# Altium PCB PCB.PcbDoc (part 1 of 5)
Units mm, origin at the board's own origin, x right, y up, seen from the top; angles counter-clockwise.
Board outline 112 x 68.3 mm, 8 copper layers (Top Layer (Sig 1), Ground Plane 1, Signal Layer 2, Power Plane 1, Power Plane 2, Signal Layer 3, Ground Plane 2, Bottom Layer (Sig 4)), stack 1.68 mm thick; 392 components, 293 nets, 1571 pads, 926 vias.
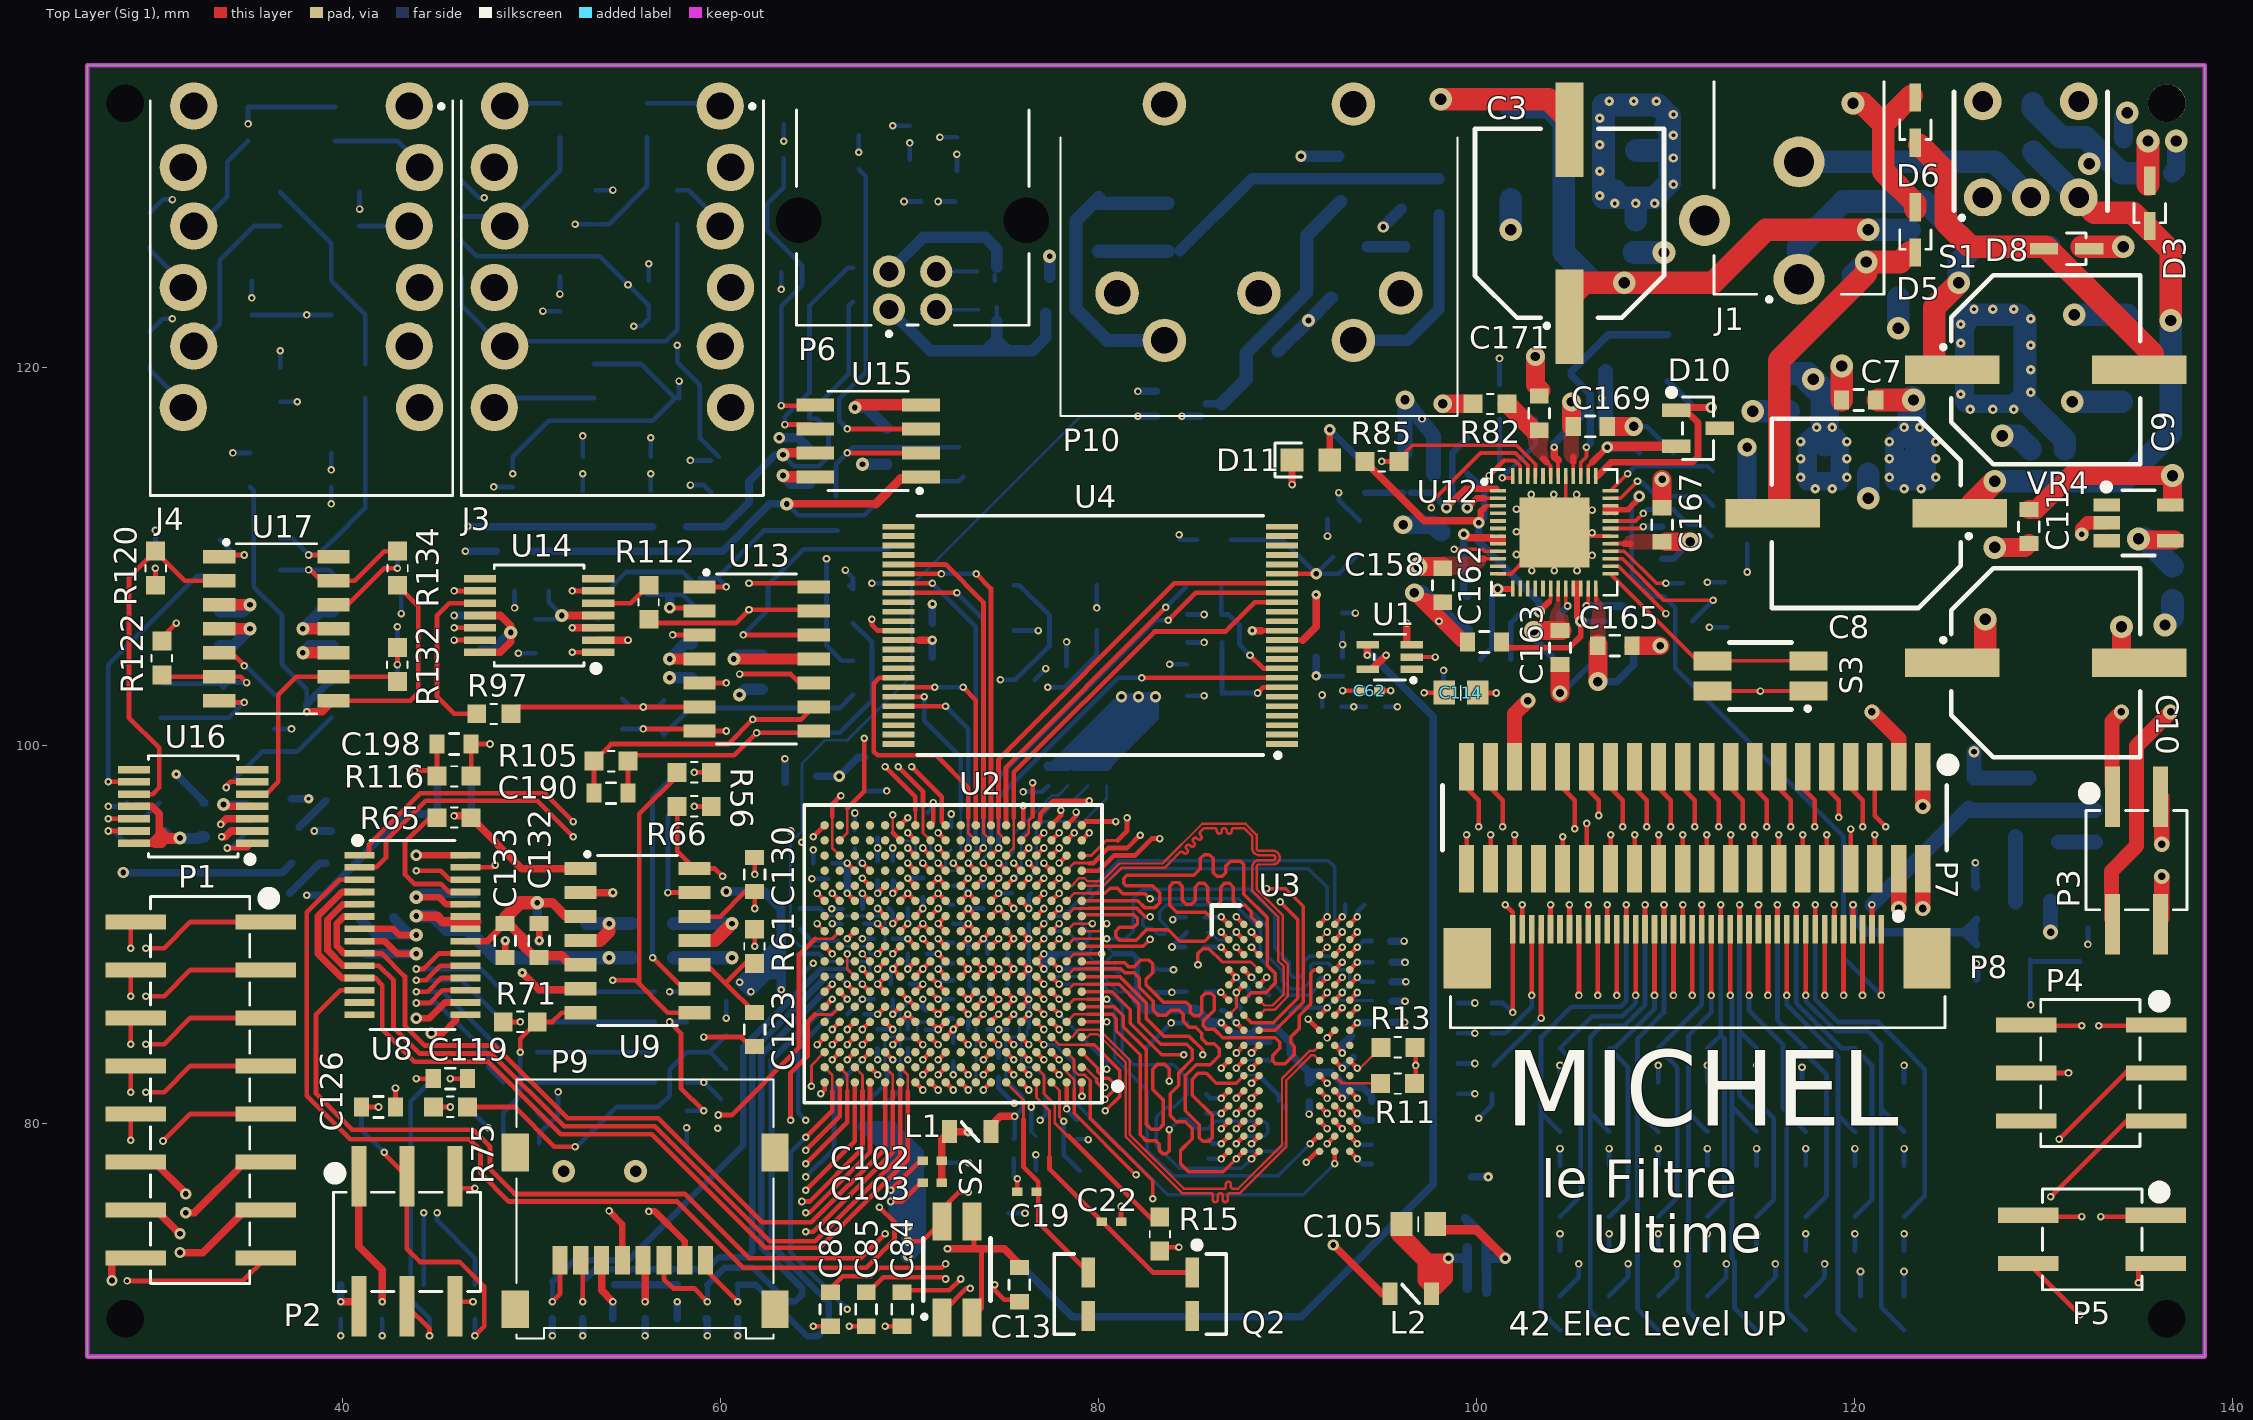
[diagram p0: Top Layer (Sig 1) view]
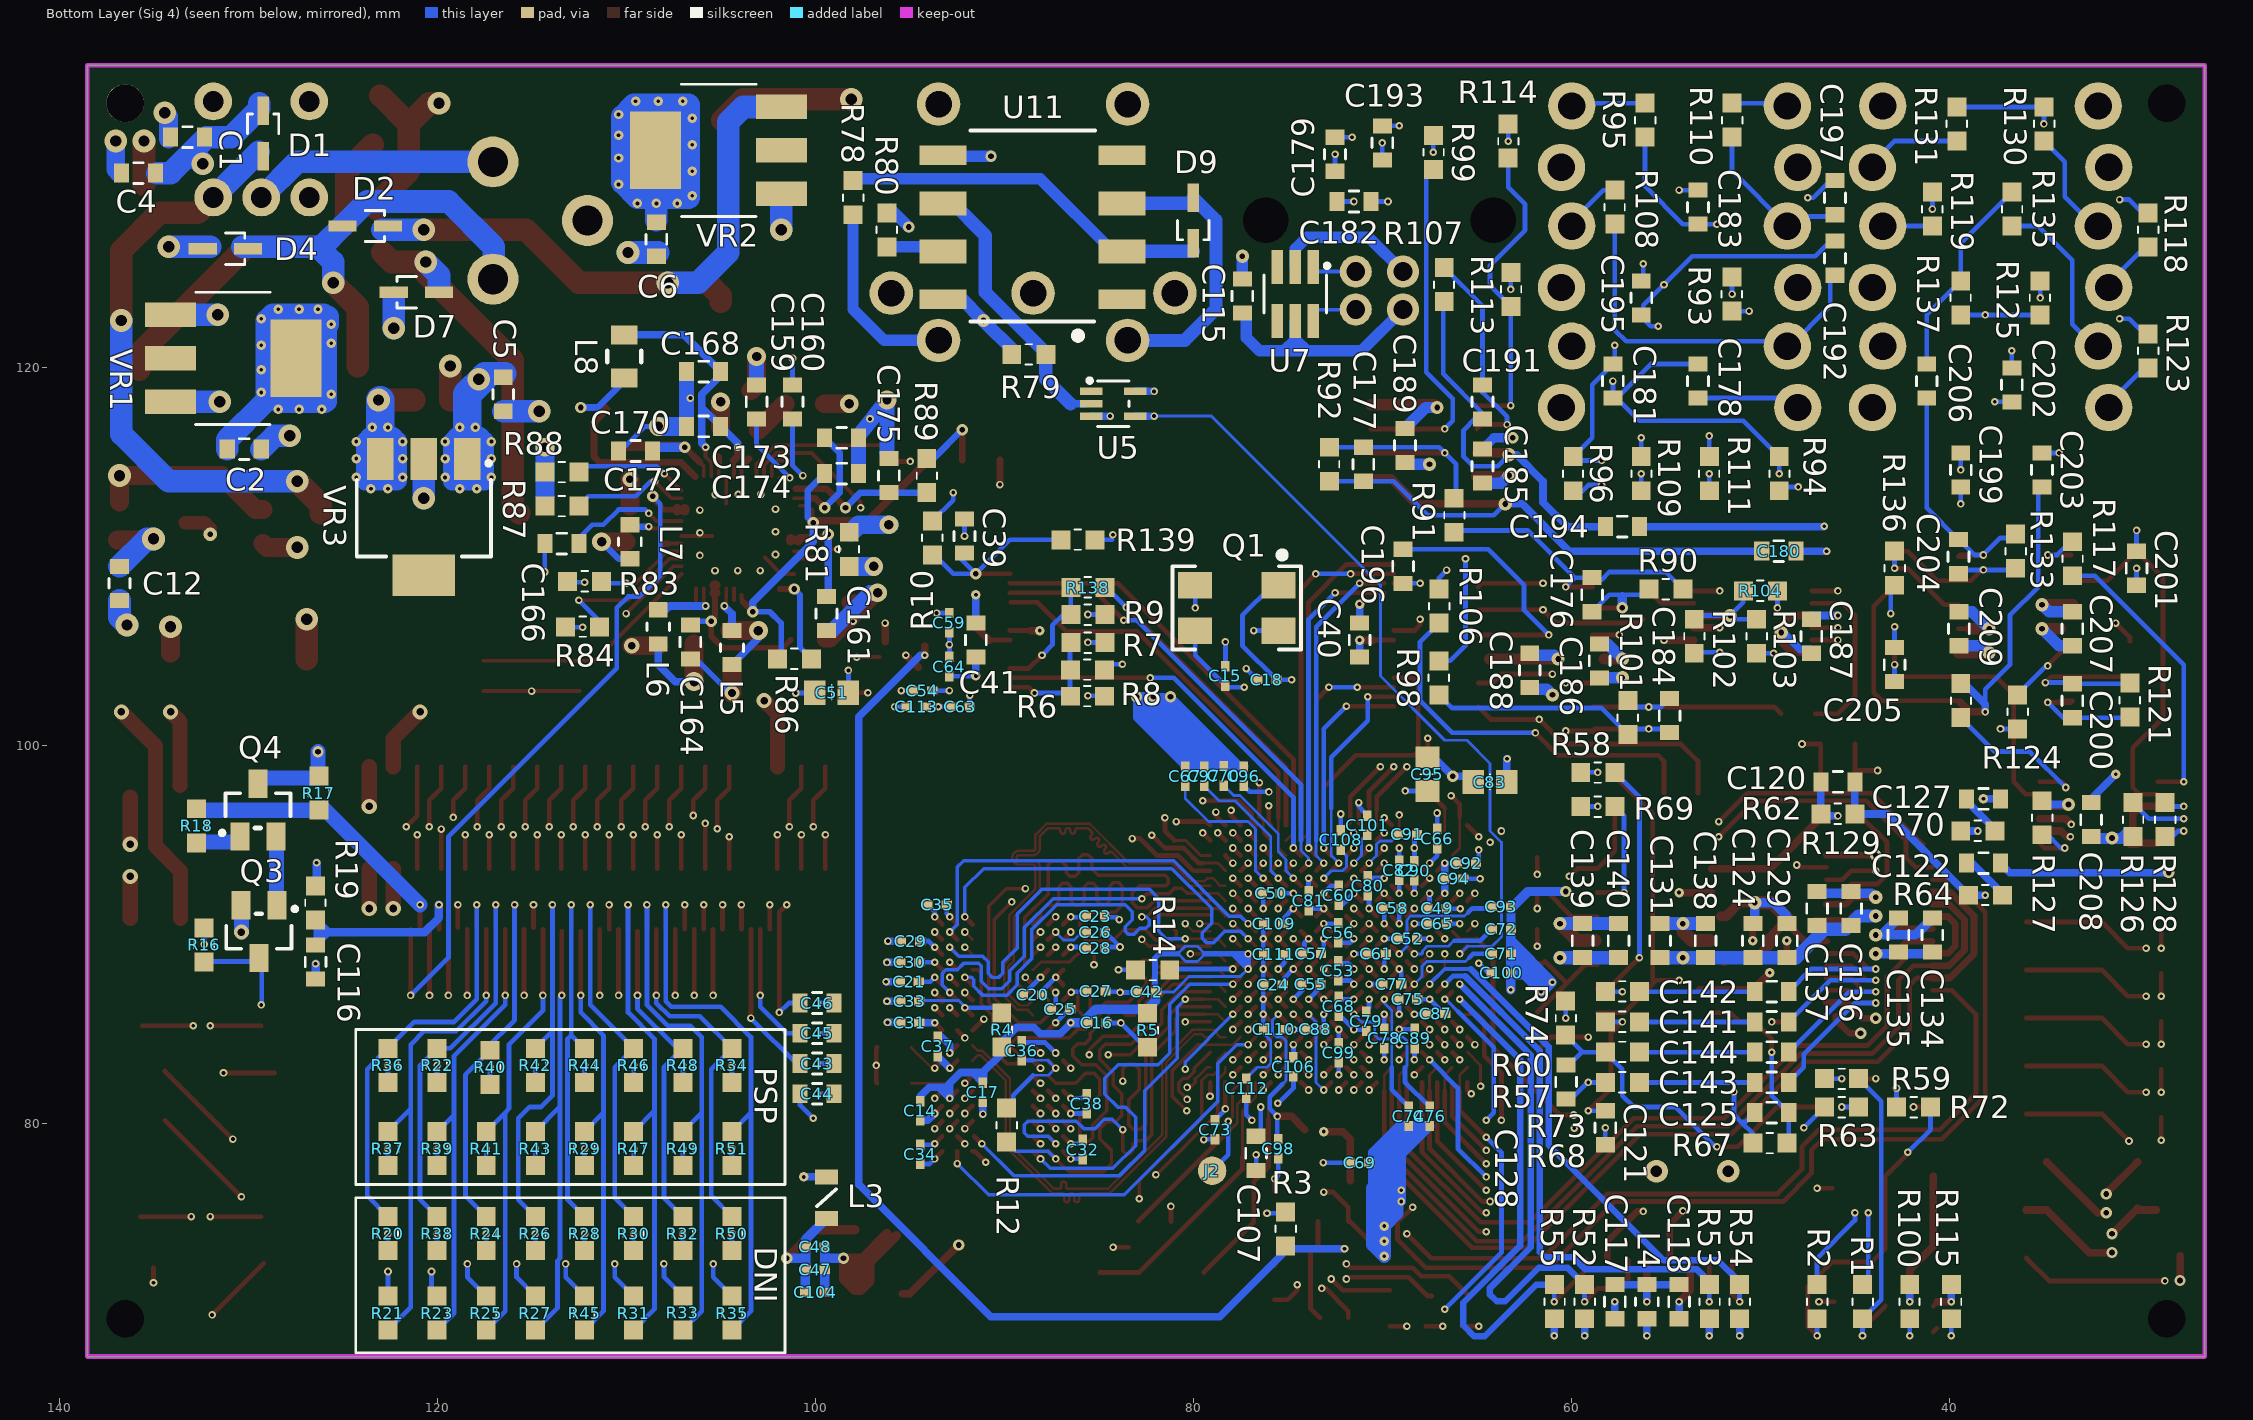
[diagram p1: Bottom Layer (Sig 4) view, seen from below]
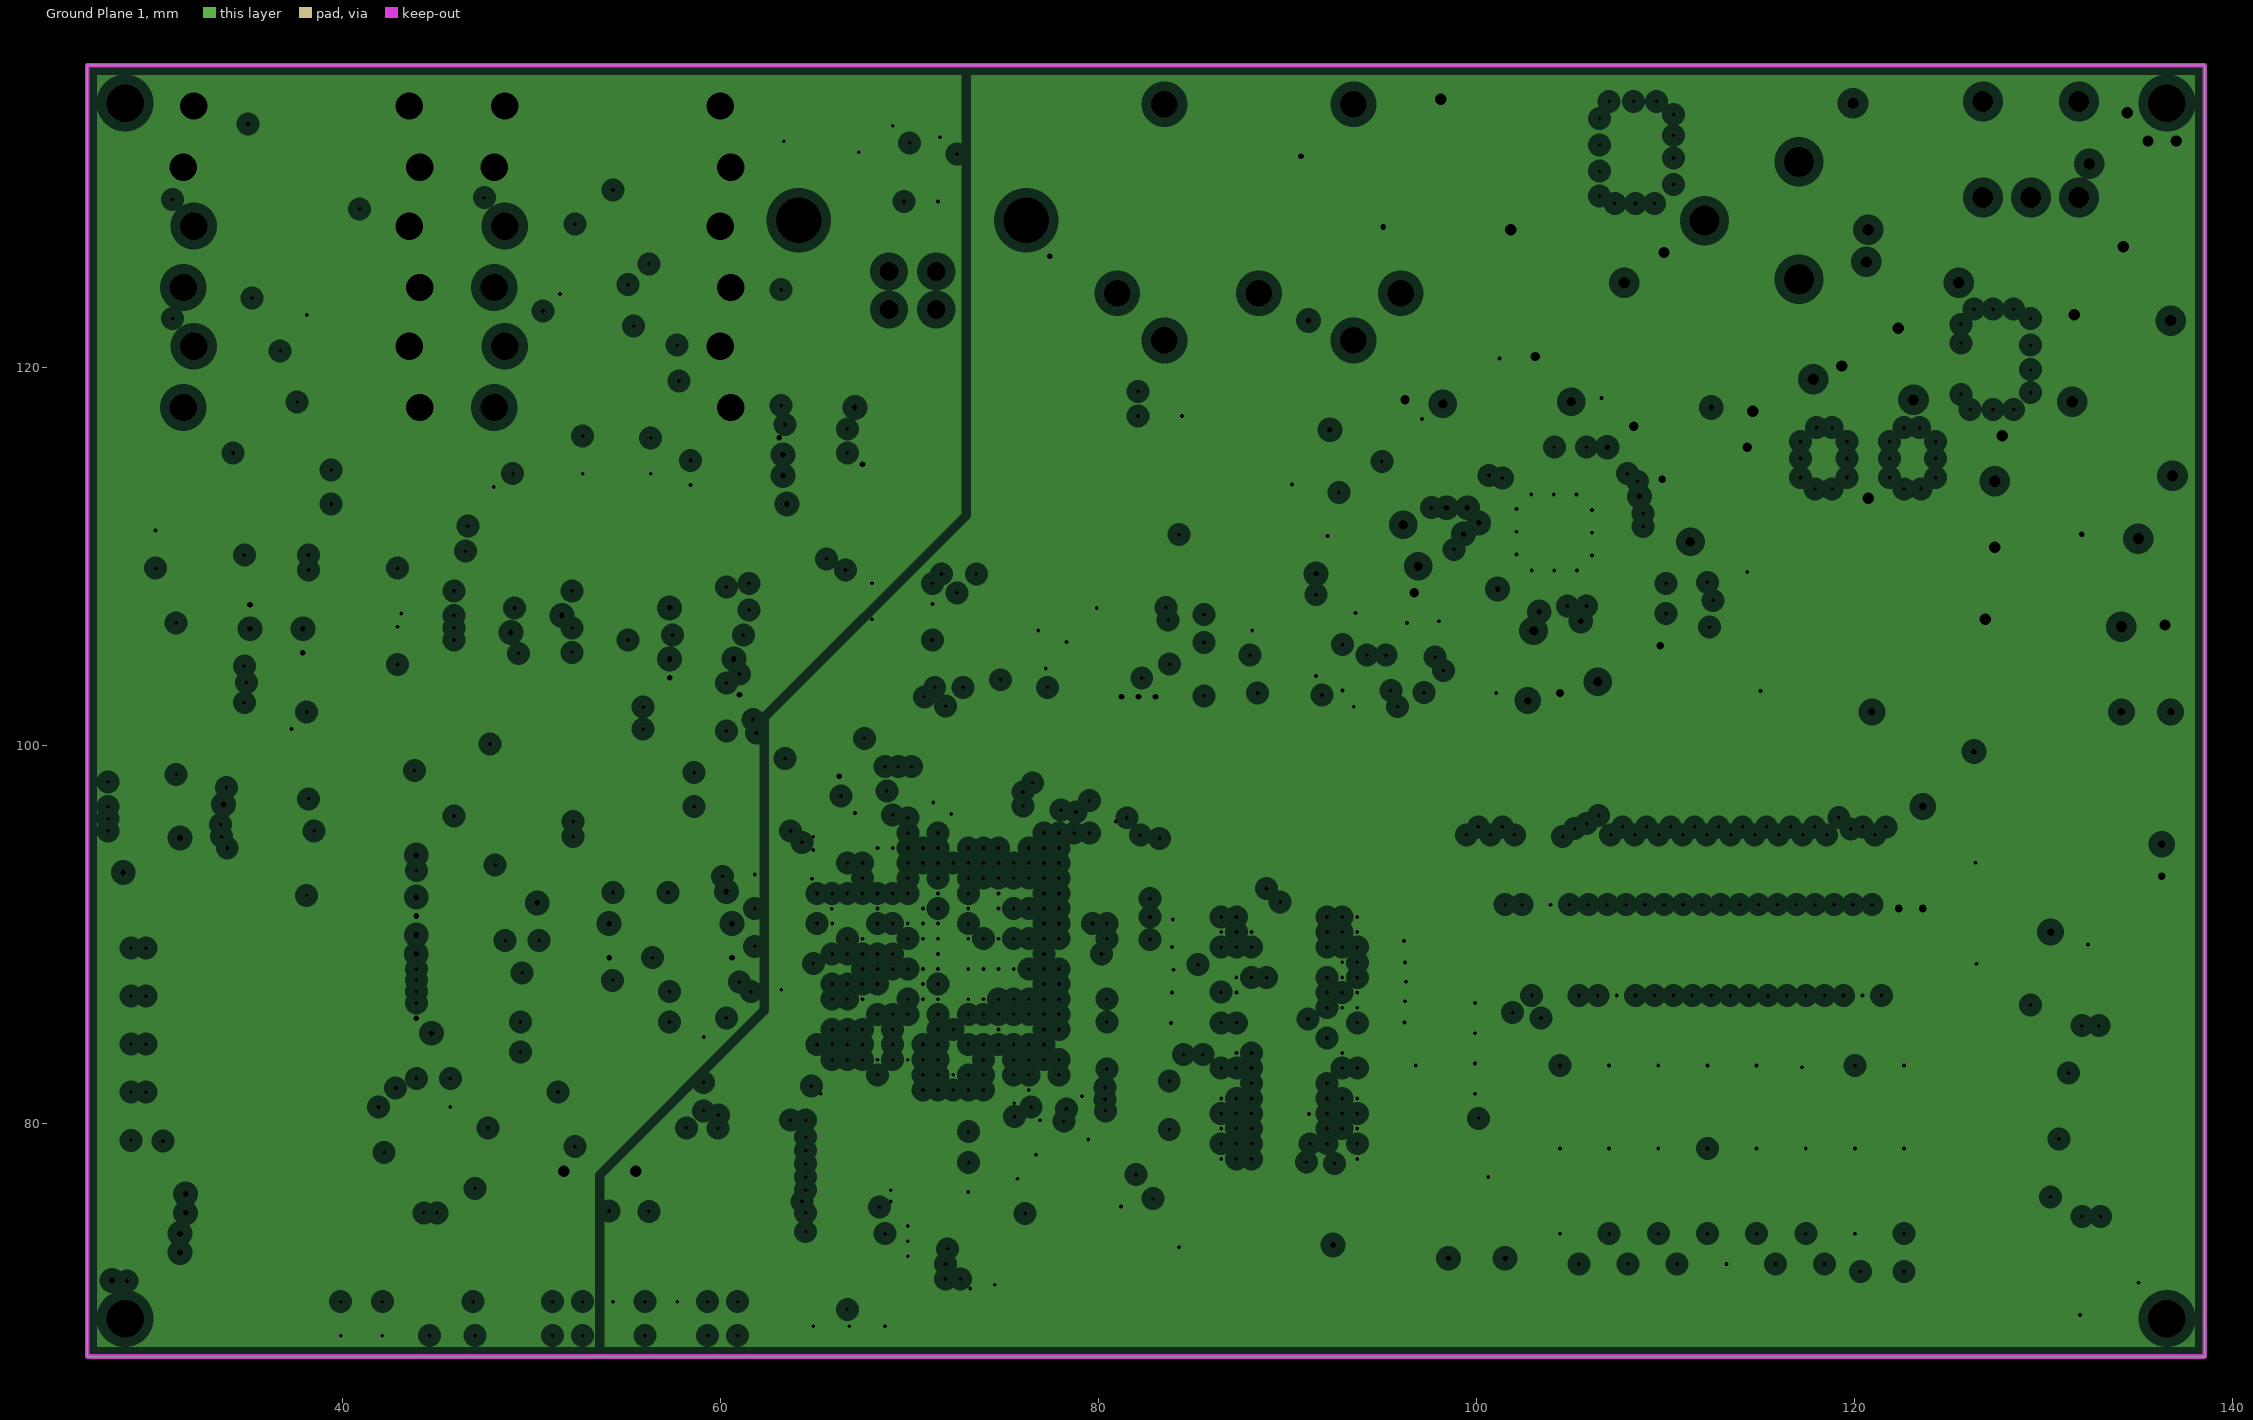
[diagram p2: Ground Plane 1, clearances drawn from the general rule]
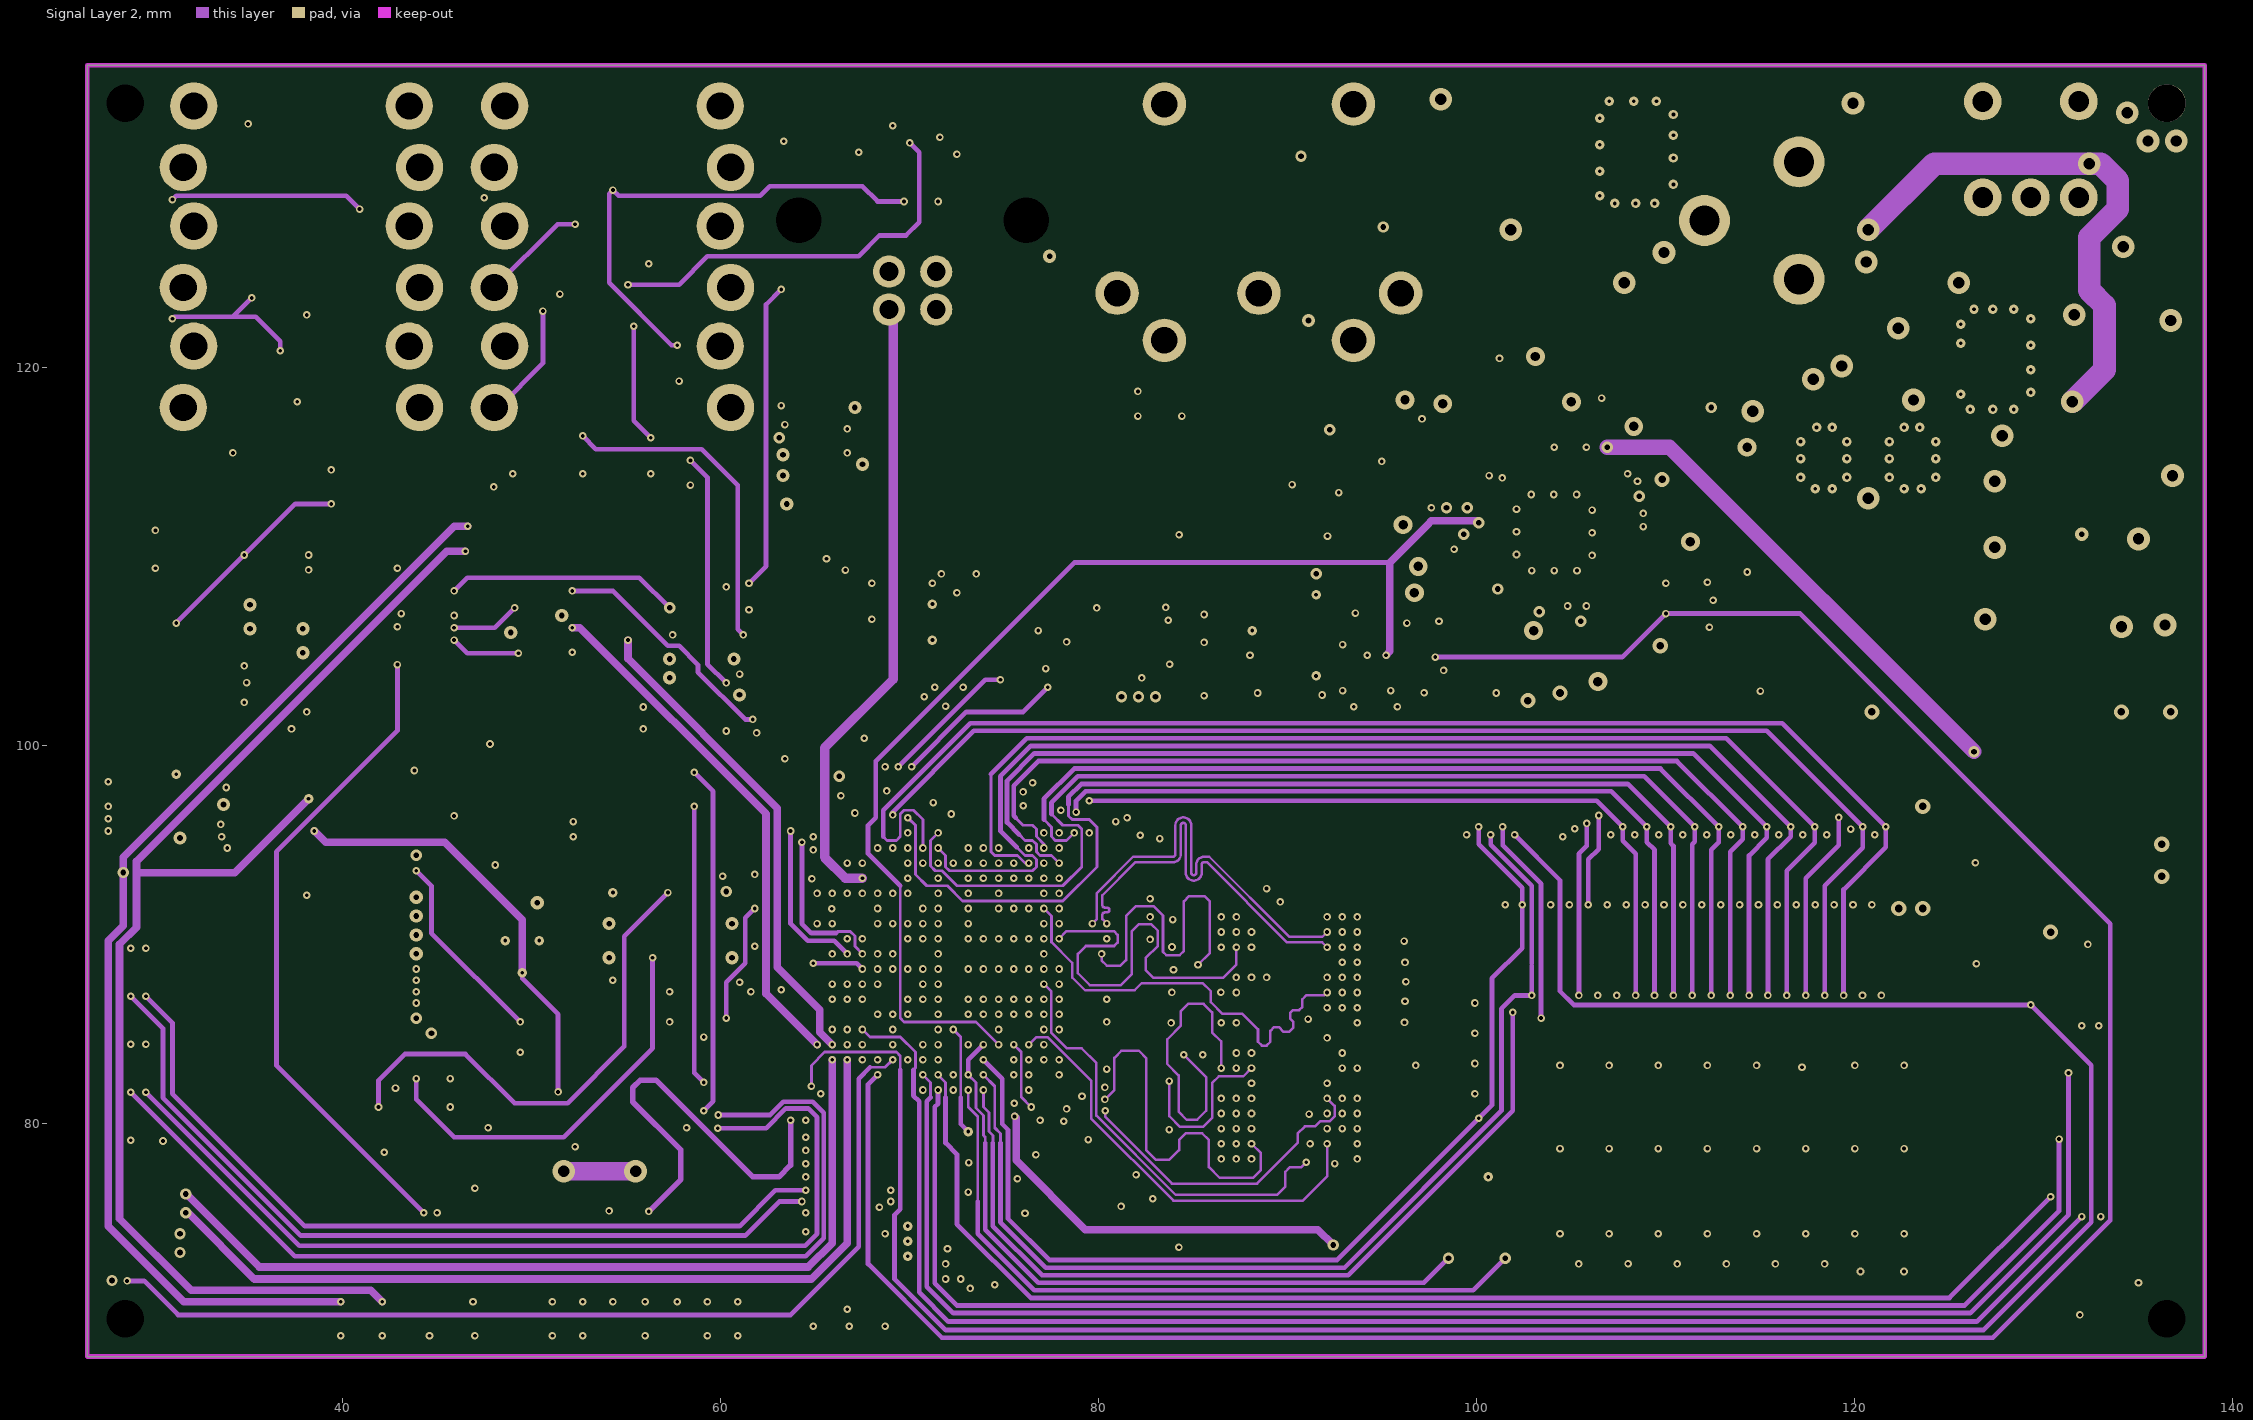
[diagram p3: Signal Layer 2]